# KiCad board Leopold Replacement.kicad_pcb (continued)
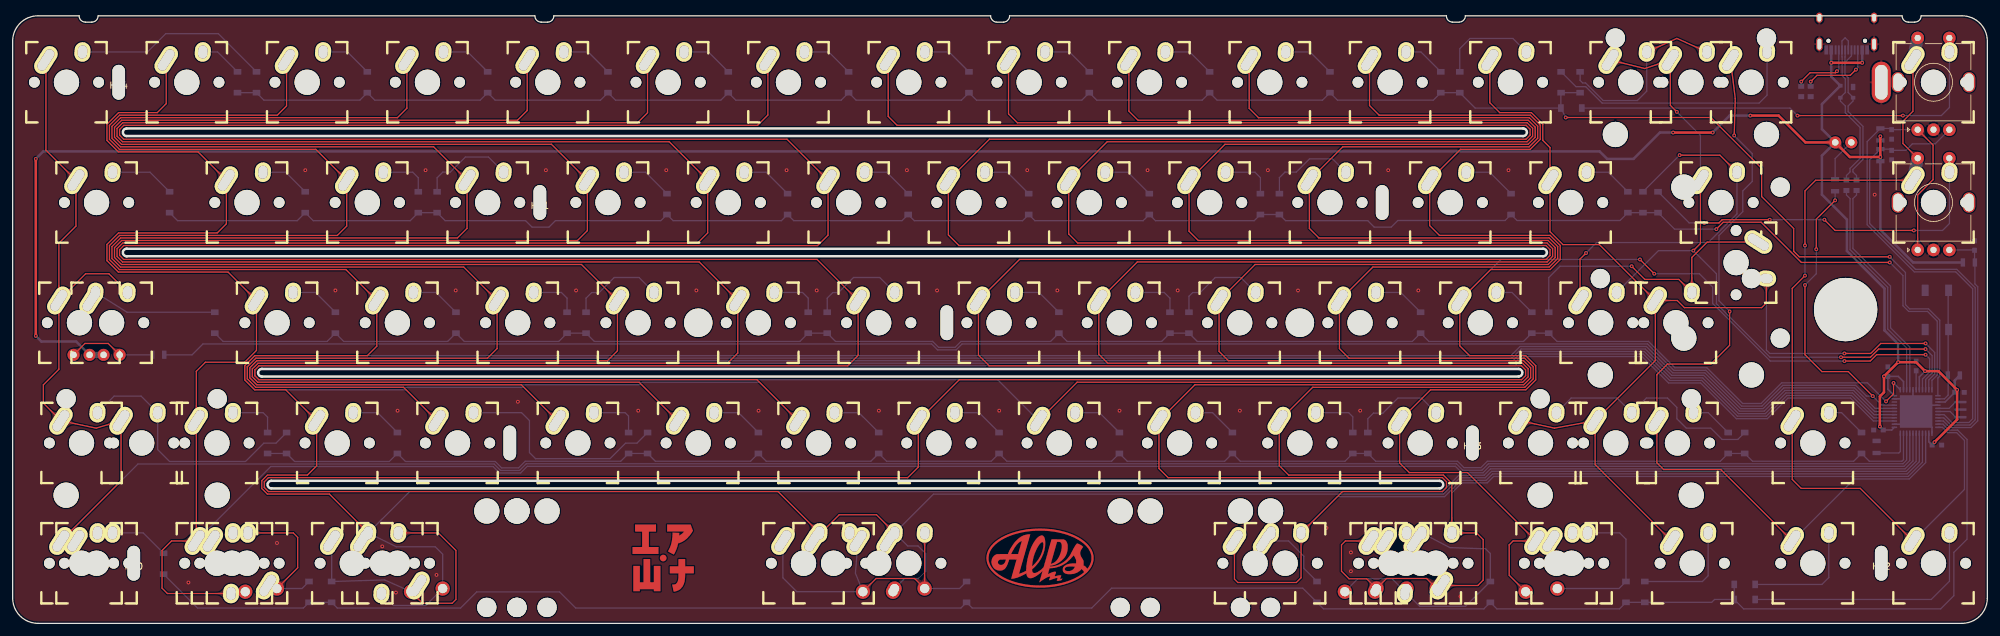
[diagram p0: board, top side]
## Copper pours and planes (outline as drawn; the poured copper is in the pictures) (continued)
Col0 on Top: 5.79,33.73 5.87,33.65 5.93,33.57 5.99,33.5 6.05,33.43 6.09,33.36 6.13,33.3 6.16,33.23 6.19,33.17 6.22,33.1 6.24,33.04 6.25,32.98 6.27,32.92 6.28,32.85 6.29,32.79 6.31,32.27 6.32,32.2 6.33,32.12 6.34,32.05 6.35,31.97 6.37,31.89 6.39,31.8 6.42,31.72 6.45,31.63 8.07,31.59 8.04,33.22 7.95,33.25 7.86,33.27 7.77,33.29 7.69,33.31 7.61,33.32 7.54,33.33 7.46,33.34 7.39,33.35 6.87,33.38 6.81,33.38 6.74,33.39 6.68,33.41 6.62,33.42 6.56,33.44 6.49,33.47 6.43,33.5 6.36,33.53 6.3,33.57 6.23,33.62 6.16,33.67 6.09,33.73 6.01,33.79 5.94,33.87
Col0 on Top: 7.4,48.56 7.4,48.66 7.41,48.76 7.42,48.85 7.43,48.94 7.44,49.02 7.46,49.1 7.49,49.17 7.51,49.23 7.54,49.29 7.57,49.35 7.6,49.41 7.64,49.46 7.67,49.51 7.71,49.56 8.06,49.95 8.11,50.01 8.15,50.07 8.2,50.13 8.25,50.19 8.29,50.26 8.34,50.34 8.38,50.42 8.42,50.5 7.3,51.67 6.17,50.5 6.22,50.42 6.26,50.34 6.31,50.26 6.35,50.19 6.4,50.13 6.44,50.07 6.49,50.01 6.54,49.95 6.89,49.56 6.92,49.51 6.96,49.46 7,49.41 7.03,49.35 7.06,49.29 7.09,49.23 7.11,49.17 7.13,49.1 7.15,49.02 7.17,48.94 7.18,48.85 7.19,48.76 7.2,48.66 7.2,48.56
Col0 on Top: 16.32,54.01 16.4,53.93 16.46,53.85 16.52,53.78 16.57,53.71 16.62,53.64 16.66,53.58 16.69,53.51 16.72,53.45 16.74,53.38 16.77,53.32 16.78,53.26 16.79,53.2 16.8,53.13 16.81,53.07 16.84,52.55 16.85,52.48 16.86,52.4 16.87,52.33 16.88,52.25 16.9,52.17 16.92,52.08 16.94,52 16.97,51.91 18.6,51.87 18.56,53.5 18.47,53.53 18.39,53.55 18.3,53.57 18.22,53.59 18.14,53.6 18.06,53.61 17.99,53.62 17.92,53.63 17.4,53.66 17.33,53.66 17.27,53.67 17.21,53.69 17.15,53.7 17.09,53.72 17.02,53.75 16.96,53.78 16.89,53.81 16.82,53.85 16.76,53.9 16.69,53.95 16.61,54.01 16.54,54.07 16.46,54.15
Col0 on Top: 8.99,52.88 8.91,52.8 8.84,52.74 8.77,52.68 8.7,52.63 8.63,52.58 8.56,52.54 8.5,52.51 8.43,52.48 8.37,52.45 8.3,52.43 8.24,52.42 8.18,52.4 8.12,52.39 8.06,52.39 7.53,52.36 7.46,52.35 7.39,52.34 7.31,52.33 7.23,52.32 7.15,52.3 7.07,52.28 6.98,52.26 6.89,52.23 6.86,50.6 8.48,50.64 8.51,50.73 8.53,50.81 8.55,50.9 8.57,50.98 8.59,51.06 8.6,51.13 8.6,51.21 8.61,51.28 8.64,51.8 8.65,51.86 8.66,51.93 8.67,51.99 8.69,52.05 8.71,52.11 8.73,52.18 8.76,52.24 8.79,52.31 8.83,52.37 8.88,52.44 8.93,52.51 8.99,52.58 9.06,52.66 9.13,52.74
Col0 on Top: 7.2,53.54 7.2,53.43 7.19,53.33 7.18,53.24 7.17,53.15 7.15,53.07 7.13,53 7.11,52.93 7.09,52.86 7.06,52.8 7.03,52.74 7,52.68 6.96,52.63 6.92,52.58 6.89,52.53 6.54,52.14 6.49,52.08 6.44,52.03 6.4,51.96 6.35,51.9 6.31,51.83 6.26,51.75 6.22,51.68 6.17,51.59 7.3,50.42 8.42,51.59 8.38,51.68 8.34,51.75 8.29,51.83 8.25,51.9 8.2,51.96 8.15,52.03 8.11,52.08 8.06,52.14 7.71,52.53 7.67,52.58 7.64,52.63 7.6,52.68 7.57,52.74 7.54,52.8 7.51,52.86 7.49,52.93 7.46,53 7.44,53.07 7.43,53.15 7.42,53.24 7.41,53.33 7.4,53.43 7.4,53.54
Col0 on Top: 10.1,67.57 10.1,67.67 10.11,67.77 10.12,67.86 10.13,67.95 10.15,68.03 10.17,68.11 10.19,68.18 10.22,68.24 10.24,68.3 10.27,68.36 10.31,68.42 10.34,68.47 10.38,68.52 10.42,68.57 10.76,68.96 10.81,69.02 10.86,69.08 10.9,69.14 10.95,69.2 11,69.27 11.04,69.35 11.08,69.43 11.13,69.51 10,70.68 8.88,69.51 8.92,69.43 8.96,69.35 9.01,69.27 9.06,69.2 9.1,69.14 9.15,69.08 9.19,69.02 9.24,68.96 9.59,68.57 9.63,68.52 9.66,68.47 9.7,68.42 9.73,68.36 9.76,68.3 9.79,68.24 9.81,68.18 9.84,68.11 9.86,68.03 9.87,67.95 9.89,67.86 9.89,67.77 9.9,67.67 9.9,67.57
Col0 on Top: 5.35,86.58 5.35,86.68 5.36,86.78 5.37,86.87 5.38,86.96 5.4,87.04 5.42,87.12 5.44,87.19 5.46,87.25 5.49,87.31 5.52,87.37 5.55,87.43 5.59,87.48 5.62,87.53 5.66,87.58 6.01,87.97 6.06,88.03 6.1,88.09 6.15,88.15 6.2,88.21 6.24,88.28 6.29,88.36 6.33,88.44 6.38,88.52 5.25,89.69 4.12,88.52 4.17,88.44 4.21,88.36 4.26,88.28 4.3,88.21 4.35,88.15 4.4,88.09 4.44,88.03 4.49,87.97 4.84,87.58 4.88,87.53 4.91,87.48 4.95,87.43 4.98,87.37 5.01,87.31 5.04,87.25 5.06,87.19 5.08,87.12 5.1,87.04 5.12,86.96 5.13,86.87 5.14,86.78 5.15,86.68 5.15,86.58
Col0 on Top: 8.17,71.75 8.24,71.67 8.31,71.59 8.37,71.52 8.42,71.45 8.47,71.38 8.51,71.32 8.54,71.25 8.57,71.19 8.59,71.12 8.61,71.06 8.63,71 8.64,70.94 8.65,70.87 8.66,70.81 8.69,70.29 8.7,70.22 8.71,70.14 8.72,70.07 8.73,69.99 8.75,69.91 8.77,69.82 8.79,69.74 8.82,69.65 10.44,69.61 10.41,71.24 10.32,71.27 10.23,71.29 10.15,71.31 10.07,71.33 9.99,71.34 9.91,71.35 9.84,71.36 9.77,71.37 9.24,71.4 9.18,71.4 9.12,71.41 9.06,71.43 9,71.44 8.93,71.46 8.87,71.49 8.81,71.52 8.74,71.55 8.67,71.59 8.61,71.64 8.54,71.69 8.46,71.75 8.39,71.81 8.31,71.89
Col0 on Bottom: 9.32,14.86 9.24,14.78 9.17,14.72 9.09,14.66 9.02,14.61 8.95,14.56 8.89,14.52 8.82,14.49 8.76,14.46 8.69,14.43 8.63,14.41 8.57,14.4 8.51,14.38 8.45,14.37 8.38,14.37 7.86,14.34 7.79,14.33 7.72,14.32 7.64,14.31 7.56,14.3 7.48,14.28 7.39,14.26 7.31,14.24 7.22,14.21 7.18,12.58 8.81,12.62 8.84,12.71 8.86,12.79 8.88,12.88 8.9,12.96 8.91,13.04 8.92,13.11 8.93,13.19 8.94,13.26 8.97,13.78 8.98,13.84 8.99,13.91 9,13.97 9.01,14.03 9.04,14.09 9.06,14.16 9.09,14.22 9.12,14.29 9.16,14.35 9.21,14.42 9.26,14.49 9.32,14.56 9.38,14.64 9.46,14.72
Col1 on Top: 38.62,48.56 38.62,48.66 38.63,48.76 38.63,48.85 38.65,48.94 38.66,49.02 38.68,49.1 38.71,49.17 38.73,49.23 38.76,49.29 38.79,49.35 38.82,49.41 38.86,49.46 38.89,49.51 38.93,49.56 39.28,49.95 39.33,50.01 39.37,50.07 39.42,50.13 39.46,50.19 39.51,50.26 39.56,50.34 39.6,50.42 39.64,50.5 38.52,51.67 37.39,50.5 37.44,50.42 37.48,50.34 37.52,50.26 37.57,50.19 37.62,50.13 37.66,50.07 37.71,50.01 37.76,49.95 38.1,49.56 38.14,49.51 38.18,49.46 38.21,49.41 38.25,49.35 38.28,49.29 38.3,49.23 38.33,49.17 38.35,49.1 38.37,49.02 38.39,48.94 38.4,48.85 38.41,48.76 38.42,48.66 38.42,48.56
Col1 on Top: 28.91,34.53 28.91,34.42 28.9,34.32 28.9,34.23 28.88,34.14 28.87,34.06 28.85,33.99 28.82,33.92 28.8,33.85 28.77,33.79 28.74,33.73 28.71,33.67 28.67,33.62 28.64,33.57 28.6,33.52 28.25,33.13 28.2,33.07 28.16,33.02 28.11,32.95 28.07,32.89 28.02,32.82 27.97,32.74 27.93,32.67 27.89,32.58 29.01,31.41 30.14,32.58 30.09,32.67 30.05,32.74 30.01,32.82 29.96,32.89 29.91,32.95 29.87,33.02 29.82,33.07 29.77,33.13 29.43,33.52 29.39,33.57 29.35,33.62 29.32,33.67 29.28,33.73 29.25,33.79 29.23,33.85 29.2,33.92 29.18,33.99 29.16,34.06 29.14,34.14 29.13,34.23 29.12,34.32 29.11,34.42 29.11,34.53
Col1 on Top: 36.69,52.74 36.76,52.66 36.83,52.58 36.88,52.51 36.94,52.44 36.98,52.37 37.02,52.31 37.06,52.24 37.08,52.18 37.11,52.11 37.13,52.05 37.15,51.99 37.16,51.93 37.17,51.86 37.18,51.8 37.21,51.28 37.21,51.21 37.22,51.13 37.23,51.06 37.24,50.98 37.26,50.9 37.28,50.81 37.31,50.73 37.34,50.64 38.96,50.6 38.93,52.23 38.84,52.26 38.75,52.28 38.66,52.3 38.58,52.32 38.5,52.33 38.43,52.34 38.35,52.35 38.28,52.36 37.76,52.39 37.7,52.39 37.64,52.4 37.57,52.42 37.51,52.43 37.45,52.45 37.39,52.48 37.32,52.51 37.26,52.54 37.19,52.58 37.12,52.63 37.05,52.68 36.98,52.74 36.9,52.8 36.83,52.88
Col1 on Top: 33.87,67.57 33.87,67.67 33.87,67.77 33.88,67.86 33.9,67.95 33.91,68.03 33.93,68.11 33.95,68.18 33.98,68.24 34.01,68.3 34.04,68.36 34.07,68.42 34.1,68.47 34.14,68.52 34.18,68.57 34.53,68.96 34.57,69.02 34.62,69.08 34.67,69.14 34.71,69.2 34.76,69.27 34.8,69.35 34.85,69.43 34.89,69.51 33.77,70.68 32.64,69.51 32.68,69.43 32.73,69.35 32.77,69.27 32.82,69.2 32.86,69.14 32.91,69.08 32.96,69.02 33,68.96 33.35,68.57 33.39,68.52 33.43,68.47 33.46,68.42 33.49,68.36 33.52,68.3 33.55,68.24 33.58,68.18 33.6,68.11 33.62,68.03 33.63,67.95 33.65,67.86 33.66,67.77 33.66,67.67 33.66,67.57
Col1 on Top: 31.93,71.75 32.01,71.67 32.07,71.59 32.13,71.52 32.18,71.45 32.23,71.38 32.27,71.32 32.3,71.25 32.33,71.19 32.36,71.12 32.38,71.06 32.39,71 32.41,70.94 32.42,70.87 32.42,70.81 32.45,70.29 32.46,70.22 32.47,70.14 32.48,70.07 32.49,69.99 32.51,69.91 32.53,69.82 32.55,69.74 32.58,69.65 34.21,69.61 34.18,71.24 34.08,71.27 34,71.29 33.91,71.31 33.83,71.33 33.75,71.34 33.68,71.35 33.6,71.36 33.53,71.37 33.01,71.4 32.95,71.4 32.88,71.41 32.82,71.43 32.76,71.44 32.7,71.46 32.63,71.49 32.57,71.52 32.5,71.55 32.44,71.59 32.37,71.64 32.3,71.69 32.23,71.75 32.15,71.81 32.08,71.89
Col1 on Top: 24.36,86.58 24.36,86.68 24.37,86.78 24.38,86.87 24.39,86.96 24.41,87.04 24.43,87.12 24.45,87.19 24.47,87.25 24.5,87.31 24.53,87.37 24.56,87.43 24.6,87.48 24.63,87.53 24.67,87.58 25.02,87.97 25.07,88.03 25.11,88.09 25.16,88.15 25.21,88.21 25.25,88.28 25.3,88.36 25.34,88.44 25.39,88.52 24.26,89.69 23.14,88.52 23.18,88.44 23.22,88.36 23.27,88.28 23.31,88.21 23.36,88.15 23.41,88.09 23.45,88.03 23.5,87.97 23.85,87.58 23.89,87.53 23.92,87.48 23.96,87.43 23.99,87.37 24.02,87.31 24.05,87.25 24.07,87.19 24.09,87.12 24.11,87.04 24.13,86.96 24.14,86.87 24.15,86.78 24.16,86.68 24.16,86.58
Col1 on Top: 29.11,29.55 29.11,29.65 29.12,29.75 29.13,29.84 29.14,29.93 29.16,30.01 29.18,30.09 29.2,30.16 29.23,30.22 29.25,30.28 29.28,30.34 29.32,30.4 29.35,30.45 29.39,30.5 29.43,30.55 29.77,30.94 29.82,31 29.87,31.06 29.91,31.12 29.96,31.18 30.01,31.25 30.05,31.33 30.09,31.41 30.14,31.49 29.01,32.66 27.89,31.49 27.93,31.41 27.97,31.33 28.02,31.25 28.07,31.18 28.11,31.12 28.16,31.06 28.2,31 28.25,30.94 28.6,30.55 28.64,30.5 28.67,30.45 28.71,30.4 28.74,30.34 28.77,30.28 28.8,30.22 28.82,30.16 28.85,30.09 28.87,30.01 28.88,29.93 28.9,29.84 28.9,29.75 28.91,29.65 28.91,29.55
Col1 on Top: 28.91,15.52 28.91,15.41 28.9,15.31 28.9,15.22 28.88,15.13 28.87,15.05 28.85,14.98 28.82,14.91 28.8,14.84 28.77,14.78 28.74,14.72 28.71,14.66 28.67,14.61 28.64,14.56 28.6,14.51 28.25,14.12 28.2,14.06 28.16,14.01 28.11,13.94 28.07,13.88 28.02,13.81 27.97,13.73 27.93,13.66 27.89,13.57 29.01,12.4 30.14,13.57 30.09,13.66 30.05,13.73 30.01,13.81 29.96,13.88 29.91,13.94 29.87,14.01 29.82,14.06 29.77,14.12 29.43,14.51 29.39,14.56 29.35,14.61 29.32,14.66 29.28,14.72 29.25,14.78 29.23,14.84 29.2,14.91 29.18,14.98 29.16,15.05 29.14,15.13 29.13,15.22 29.12,15.31 29.11,15.41 29.11,15.52
Col1 on Top: 32.01,4.62 32.12,4.61 32.22,4.61 32.31,4.6 32.39,4.59 32.47,4.57 32.55,4.55 32.62,4.53 32.69,4.5 32.75,4.47 32.81,4.44 32.86,4.41 32.92,4.38 32.97,4.34 33.02,4.3 33.41,3.95 33.46,3.91 33.52,3.86 33.58,3.81 33.65,3.77 33.72,3.72 33.79,3.68 33.87,3.63 33.96,3.59 35.12,4.72 33.96,5.84 33.87,5.8 33.79,5.75 33.72,5.71 33.65,5.66 33.58,5.62 33.52,5.57 33.46,5.52 33.41,5.48 33.02,5.13 32.97,5.09 32.92,5.05 32.86,5.02 32.81,4.99 32.75,4.96 32.69,4.93 32.62,4.9 32.55,4.88 32.47,4.86 32.39,4.85 32.31,4.83 32.22,4.82 32.12,4.82 32.01,4.82
Col1 on Top: 26.52,12.93 26.63,12.92 26.73,12.92 26.82,12.91 26.91,12.9 26.99,12.88 27.06,12.86 27.13,12.84 27.2,12.81 27.26,12.78 27.32,12.75 27.38,12.72 27.43,12.69 27.48,12.65 27.53,12.61 27.92,12.26 27.97,12.22 28.03,12.17 28.09,12.12 28.16,12.08 28.23,12.03 28.3,11.99 28.38,11.94 28.47,11.9 29.64,13.03 28.47,14.15 28.38,14.11 28.3,14.06 28.23,14.02 28.16,13.97 28.09,13.93 28.03,13.88 27.97,13.83 27.92,13.79 27.53,13.44 27.48,13.4 27.43,13.36 27.38,13.33 27.32,13.3 27.26,13.27 27.2,13.24 27.13,13.21 27.06,13.19 26.99,13.17 26.91,13.16 26.82,13.14 26.73,13.13 26.63,13.13 26.52,13.13
Col1 on Bottom: 30.7,14.86 30.63,14.78 30.55,14.72 30.48,14.66 30.41,14.61 30.34,14.56 30.27,14.52 30.21,14.49 30.14,14.46 30.08,14.43 30.02,14.41 29.96,14.4 29.89,14.38 29.83,14.37 29.77,14.37 29.25,14.34 29.18,14.33 29.1,14.32 29.03,14.31 28.95,14.3 28.87,14.28 28.78,14.26 28.69,14.24 28.6,14.21 28.57,12.58 30.19,12.62 30.22,12.71 30.25,12.79 30.27,12.88 30.29,12.96 30.3,13.04 30.31,13.11 30.32,13.19 30.32,13.26 30.35,13.78 30.36,13.84 30.37,13.91 30.38,13.97 30.4,14.03 30.42,14.09 30.45,14.16 30.47,14.22 30.51,14.29 30.55,14.35 30.59,14.42 30.65,14.49 30.7,14.56 30.77,14.64 30.84,14.72
Col2 on Top: 54.34,15.99 54.42,15.91 54.48,15.83 54.54,15.76 54.59,15.69 54.64,15.62 54.68,15.56 54.71,15.49 54.74,15.43 54.76,15.36 54.79,15.3 54.8,15.24 54.81,15.18 54.82,15.11 54.83,15.05 54.86,14.53 54.87,14.46 54.88,14.38 54.89,14.31 54.9,14.23 54.92,14.15 54.94,14.06 54.96,13.98 54.99,13.89 56.62,13.85 56.58,15.48 56.49,15.51 56.41,15.53 56.32,15.55 56.24,15.57 56.16,15.58 56.08,15.59 56.01,15.6 55.94,15.61 55.42,15.64 55.35,15.64 55.29,15.65 55.23,15.67 55.17,15.68 55.11,15.7 55.04,15.73 54.98,15.76 54.91,15.79 54.84,15.83 54.78,15.88 54.71,15.93 54.63,15.99 54.56,16.05 54.48,16.13
Col2 on Top: 48.12,29.55 48.12,29.65 48.13,29.75 48.14,29.84 48.15,29.93 48.17,30.01 48.19,30.09 48.21,30.16 48.24,30.22 48.26,30.28 48.29,30.34 48.33,30.4 48.36,30.45 48.4,30.5 48.44,30.55 48.78,30.94 48.83,31 48.88,31.06 48.92,31.12 48.97,31.18 49.02,31.25 49.06,31.33 49.1,31.41 49.15,31.49 48.02,32.66 46.9,31.49 46.94,31.41 46.98,31.33 47.03,31.25 47.08,31.18 47.12,31.12 47.17,31.06 47.21,31 47.26,30.94 47.61,30.55 47.65,30.5 47.68,30.45 47.72,30.4 47.75,30.34 47.78,30.28 47.81,30.22 47.83,30.16 47.86,30.09 47.88,30.01 47.89,29.93 47.91,29.84 47.91,29.75 47.92,29.65 47.92,29.55
Col2 on Top: 46.19,33.73 46.26,33.65 46.33,33.57 46.39,33.5 46.44,33.43 46.49,33.36 46.53,33.3 46.56,33.23 46.59,33.17 46.61,33.1 46.63,33.04 46.65,32.98 46.66,32.92 46.67,32.85 46.68,32.79 46.71,32.27 46.72,32.2 46.73,32.12 46.74,32.05 46.75,31.97 46.77,31.89 46.79,31.8 46.81,31.72 46.84,31.63 48.46,31.59 48.43,33.22 48.34,33.25 48.25,33.27 48.17,33.29 48.09,33.31 48.01,33.32 47.93,33.33 47.86,33.34 47.79,33.35 47.26,33.38 47.2,33.38 47.14,33.39 47.08,33.41 47.02,33.42 46.95,33.44 46.89,33.47 46.83,33.5 46.76,33.53 46.69,33.57 46.63,33.62 46.56,33.67 46.48,33.73 46.41,33.79 46.33,33.87
Col2 on Top: 57.63,48.56 57.63,48.66 57.64,48.76 57.64,48.85 57.66,48.94 57.67,49.02 57.69,49.1 57.72,49.17 57.74,49.23 57.77,49.29 57.8,49.35 57.83,49.41 57.87,49.46 57.9,49.51 57.94,49.56 58.29,49.95 58.34,50.01 58.38,50.07 58.43,50.13 58.47,50.19 58.52,50.26 58.57,50.34 58.61,50.42 58.65,50.5 57.53,51.67 56.4,50.5 56.45,50.42 56.49,50.34 56.53,50.26 56.58,50.19 56.63,50.13 56.67,50.07 56.72,50.01 56.77,49.95 57.11,49.56 57.15,49.51 57.19,49.46 57.22,49.41 57.26,49.35 57.29,49.29 57.31,49.23 57.34,49.17 57.36,49.1 57.38,49.02 57.4,48.94 57.41,48.85 57.42,48.76 57.43,48.66 57.43,48.56
Col2 on Top: 55.7,52.74 55.77,52.66 55.84,52.58 55.89,52.51 55.95,52.44 55.99,52.37 56.03,52.31 56.07,52.24 56.09,52.18 56.12,52.11 56.14,52.05 56.16,51.99 56.17,51.93 56.18,51.86 56.19,51.8 56.22,51.28 56.22,51.21 56.23,51.13 56.24,51.06 56.25,50.98 56.27,50.9 56.29,50.81 56.32,50.73 56.35,50.64 57.97,50.6 57.94,52.23 57.85,52.26 57.76,52.28 57.67,52.3 57.59,52.32 57.51,52.33 57.44,52.34 57.36,52.35 57.29,52.36 56.77,52.39 56.71,52.39 56.65,52.4 56.58,52.42 56.52,52.43 56.46,52.45 56.4,52.48 56.33,52.51 56.27,52.54 56.2,52.58 56.13,52.63 56.06,52.68 55.99,52.74 55.91,52.8 55.84,52.88
Col2 on Top: 52.88,67.57 52.88,67.67 52.88,67.77 52.89,67.86 52.91,67.95 52.92,68.03 52.94,68.11 52.96,68.18 52.99,68.24 53.02,68.3 53.05,68.36 53.08,68.42 53.11,68.47 53.15,68.52 53.19,68.57 53.54,68.96 53.58,69.02 53.63,69.08 53.68,69.14 53.72,69.2 53.77,69.27 53.81,69.35 53.86,69.43 53.9,69.51 52.77,70.68 51.65,69.51 51.69,69.43 51.74,69.35 51.78,69.27 51.83,69.2 51.87,69.14 51.92,69.08 51.97,69.02 52.01,68.96 52.36,68.57 52.4,68.52 52.44,68.47 52.47,68.42 52.5,68.36 52.53,68.3 52.56,68.24 52.59,68.18 52.61,68.11 52.63,68.03 52.64,67.95 52.66,67.86 52.67,67.77 52.67,67.67 52.67,67.57
Col2 on Top: 50.94,71.75 51.02,71.67 51.08,71.59 51.14,71.52 51.19,71.45 51.24,71.38 51.28,71.32 51.31,71.25 51.34,71.19 51.37,71.12 51.39,71.06 51.4,71 51.42,70.94 51.43,70.87 51.43,70.81 51.46,70.29 51.47,70.22 51.48,70.14 51.49,70.07 51.5,69.99 51.52,69.91 51.54,69.82 51.56,69.74 51.59,69.65 53.22,69.61 53.19,71.24 53.09,71.27 53.01,71.29 52.92,71.31 52.84,71.33 52.76,71.34 52.69,71.35 52.61,71.36 52.54,71.37 52.02,71.4 51.96,71.4 51.89,71.41 51.83,71.43 51.77,71.44 51.71,71.46 51.64,71.49 51.58,71.52 51.51,71.55 51.45,71.59 51.38,71.64 51.31,71.69 51.24,71.75 51.16,71.81 51.09,71.89
Col2 on Top: 43.37,86.58 43.37,86.68 43.38,86.78 43.39,86.87 43.4,86.96 43.42,87.04 43.44,87.12 43.46,87.19 43.48,87.25 43.51,87.31 43.54,87.37 43.57,87.43 43.61,87.48 43.64,87.53 43.68,87.58 44.03,87.97 44.08,88.03 44.12,88.09 44.17,88.15 44.22,88.21 44.26,88.28 44.31,88.36 44.35,88.44 44.4,88.52 43.27,89.69 42.15,88.52 42.19,88.44 42.23,88.36 42.28,88.28 42.32,88.21 42.37,88.15 42.42,88.09 42.46,88.03 42.51,87.97 42.86,87.58 42.9,87.53 42.93,87.48 42.97,87.43 43,87.37 43.03,87.31 43.06,87.25 43.08,87.19 43.1,87.12 43.12,87.04 43.14,86.96 43.15,86.87 43.16,86.78 43.17,86.68 43.17,86.58
Col2 on Bottom: 57.86,16.13 57.79,16.05 57.71,15.99 57.64,15.93 57.57,15.88 57.5,15.83 57.44,15.79 57.37,15.76 57.31,15.73 57.24,15.7 57.18,15.68 57.12,15.67 57.06,15.65 56.99,15.64 56.93,15.64 56.41,15.61 56.34,15.6 56.26,15.59 56.19,15.58 56.11,15.57 56.03,15.55 55.94,15.53 55.85,15.51 55.76,15.48 55.73,13.85 57.35,13.89 57.38,13.98 57.41,14.06 57.43,14.15 57.45,14.23 57.46,14.31 57.47,14.38 57.48,14.46 57.49,14.53 57.51,15.05 57.52,15.11 57.53,15.18 57.55,15.24 57.56,15.3 57.58,15.36 57.61,15.43 57.64,15.49 57.67,15.56 57.71,15.62 57.75,15.69 57.81,15.76 57.87,15.83 57.93,15.91 58.01,15.99
Col2 on Bottom: 58.45,13.28 58.36,13.33 58.27,13.38 58.19,13.43 58.12,13.48 58.05,13.53 58,13.58 57.94,13.63 57.89,13.68 57.85,13.74 57.81,13.79 57.78,13.84 57.74,13.9 57.71,13.95 57.69,14.01 57.49,14.49 57.46,14.56 57.43,14.63 57.4,14.7 57.36,14.77 57.32,14.84 57.27,14.91 57.22,14.99 57.16,15.06 55.61,14.57 56.16,13.05 56.26,13.05 56.35,13.05 56.44,13.06 56.52,13.07 56.6,13.08 56.67,13.1 56.75,13.11 56.82,13.13 57.32,13.27 57.38,13.28 57.44,13.29 57.51,13.3 57.57,13.3 57.64,13.3 57.71,13.3 57.78,13.29 57.85,13.28 57.92,13.27 58,13.25 58.09,13.22 58.17,13.19 58.27,13.15 58.36,13.1
Col2 on Bottom: 67.83,7.75 67.83,7.65 67.83,7.57 67.82,7.48 67.81,7.4 67.79,7.33 67.78,7.26 67.76,7.2 67.73,7.14 67.71,7.08 67.68,7.03 67.65,6.98 67.62,6.93 67.59,6.89 67.21,6.44 67.16,6.39 67.12,6.33 67.08,6.27 67.04,6.21 67,6.14 66.96,6.07 66.92,6 67.93,4.94 68.95,6 68.91,6.07 68.87,6.14 68.83,6.21 68.79,6.27 68.75,6.33 68.7,6.39 68.66,6.44 68.28,6.89 68.25,6.93 68.21,6.98 68.19,7.03 68.16,7.08 68.13,7.14 68.11,7.2 68.09,7.26 68.08,7.33 68.06,7.4 68.05,7.48 68.04,7.57 68.04,7.65 68.03,7.75
Col2 on Bottom: 66.42,3.85 66.49,3.91 66.55,3.97 66.62,4.03 66.68,4.07 66.74,4.11 66.8,4.15 66.86,4.18 66.92,4.21 66.98,4.23 67.03,4.25 67.09,4.26 67.14,4.28 67.2,4.29 67.79,4.33 67.86,4.34 67.92,4.35 67.99,4.36 68.07,4.37 68.14,4.39 68.22,4.42 68.3,4.44 68.33,5.9 66.87,5.87 66.85,5.79 66.82,5.71 66.8,5.64 66.79,5.57 66.78,5.49 66.77,5.43 66.76,5.36 66.71,4.77 66.71,4.71 66.69,4.66 66.68,4.6 66.66,4.55 66.64,4.49 66.61,4.43 66.58,4.37 66.54,4.31 66.5,4.25 66.46,4.19 66.4,4.12 66.34,4.06 66.28,3.99
Col2 on Bottom: 60.09,3.03 60.02,3.1 59.95,3.18 59.9,3.25 59.84,3.32 59.8,3.39 59.76,3.45 59.72,3.52 59.7,3.58 59.67,3.65 59.65,3.71 59.63,3.77 59.62,3.83 59.61,3.9 59.6,3.96 59.57,4.48 59.57,4.55 59.56,4.63 59.55,4.7 59.54,4.78 59.52,4.86 59.5,4.95 59.47,5.03 59.44,5.13 57.82,5.16 57.85,3.53 57.94,3.5 58.03,3.48 58.12,3.46 58.2,3.44 58.28,3.43 58.35,3.42 58.43,3.41 58.5,3.4 59.02,3.37 59.08,3.37 59.14,3.36 59.21,3.34 59.27,3.33 59.33,3.31 59.39,3.28 59.46,3.25 59.52,3.22 59.59,3.18 59.66,3.13 59.73,3.08 59.8,3.02 59.88,2.96 59.95,2.88
Col3 on Top: 65.2,33.73 65.27,33.65 65.34,33.57 65.4,33.5 65.45,33.43 65.5,33.36 65.54,33.3 65.57,33.23 65.6,33.17 65.62,33.1 65.64,33.04 65.66,32.98 65.67,32.92 65.68,32.85 65.69,32.79 65.72,32.27 65.73,32.2 65.74,32.12 65.75,32.05 65.76,31.97 65.78,31.89 65.8,31.8 65.82,31.72 65.85,31.63 67.47,31.59 67.44,33.22 67.35,33.25 67.26,33.27 67.18,33.29 67.1,33.31 67.02,33.32 66.94,33.33 66.87,33.34 66.8,33.35 66.27,33.38 66.21,33.38 66.15,33.39 66.09,33.41 66.03,33.42 65.96,33.44 65.9,33.47 65.84,33.5 65.77,33.53 65.7,33.57 65.64,33.62 65.57,33.67 65.49,33.73 65.42,33.79 65.34,33.87
Col3 on Top: 76.64,48.56 76.64,48.66 76.65,48.76 76.65,48.85 76.67,48.94 76.68,49.02 76.7,49.1 76.73,49.17 76.75,49.23 76.78,49.29 76.81,49.35 76.84,49.41 76.88,49.46 76.91,49.51 76.95,49.56 77.3,49.95 77.35,50.01 77.39,50.07 77.44,50.13 77.48,50.19 77.53,50.26 77.58,50.34 77.62,50.42 77.66,50.5 76.54,51.67 75.41,50.5 75.46,50.42 75.5,50.34 75.54,50.26 75.59,50.19 75.64,50.13 75.68,50.07 75.73,50.01 75.78,49.95 76.12,49.56 76.16,49.51 76.2,49.46 76.23,49.41 76.27,49.35 76.3,49.29 76.32,49.23 76.35,49.17 76.37,49.1 76.39,49.02 76.41,48.94 76.42,48.85 76.43,48.76 76.44,48.66 76.44,48.56
Col3 on Top: 74.71,52.74 74.78,52.66 74.85,52.58 74.9,52.51 74.96,52.44 75,52.37 75.04,52.31 75.08,52.24 75.1,52.18 75.13,52.11 75.15,52.05 75.17,51.99 75.18,51.93 75.19,51.86 75.2,51.8 75.23,51.28 75.23,51.21 75.24,51.13 75.25,51.06 75.26,50.98 75.28,50.9 75.3,50.81 75.33,50.73 75.36,50.64 76.98,50.6 76.95,52.23 76.86,52.26 76.77,52.28 76.68,52.3 76.6,52.32 76.52,52.33 76.45,52.34 76.37,52.35 76.3,52.36 75.78,52.39 75.72,52.39 75.66,52.4 75.59,52.42 75.53,52.43 75.47,52.45 75.41,52.48 75.34,52.51 75.28,52.54 75.21,52.58 75.14,52.63 75.07,52.68 75,52.74 74.92,52.8 74.85,52.88
Col3 on Top: 71.89,67.57 71.89,67.67 71.89,67.77 71.9,67.86 71.92,67.95 71.93,68.03 71.95,68.11 71.97,68.18 72,68.24 72.03,68.3 72.06,68.36 72.09,68.42 72.12,68.47 72.16,68.52 72.2,68.57 72.55,68.96 72.59,69.02 72.64,69.08 72.69,69.14 72.73,69.2 72.78,69.27 72.82,69.35 72.87,69.43 72.91,69.51 71.78,70.68 70.66,69.51 70.7,69.43 70.75,69.35 70.79,69.27 70.84,69.2 70.88,69.14 70.93,69.08 70.98,69.02 71.02,68.96 71.37,68.57 71.41,68.52 71.45,68.47 71.48,68.42 71.51,68.36 71.54,68.3 71.57,68.24 71.6,68.18 71.62,68.11 71.64,68.03 71.65,67.95 71.67,67.86 71.68,67.77 71.68,67.67 71.69,67.57
Col3 on Top: 69.95,71.75 70.03,71.67 70.09,71.59 70.15,71.52 70.2,71.45 70.25,71.38 70.29,71.32 70.32,71.25 70.35,71.19 70.38,71.12 70.4,71.06 70.41,71 70.43,70.94 70.44,70.87 70.44,70.81 70.47,70.29 70.48,70.22 70.49,70.14 70.5,70.07 70.51,69.99 70.53,69.91 70.55,69.82 70.57,69.74 70.6,69.65 72.23,69.61 72.2,71.24 72.1,71.27 72.02,71.29 71.93,71.31 71.85,71.33 71.77,71.34 71.7,71.35 71.62,71.36 71.55,71.37 71.03,71.4 70.97,71.4 70.9,71.41 70.84,71.43 70.78,71.44 70.72,71.46 70.65,71.49 70.59,71.52 70.52,71.55 70.46,71.59 70.39,71.64 70.32,71.69 70.25,71.75 70.17,71.81 70.1,71.89
Col3 on Top: 62.38,86.58 62.38,86.68 62.39,86.78 62.4,86.87 62.41,86.96 62.43,87.04 62.45,87.12 62.47,87.19 62.49,87.25 62.52,87.31 62.55,87.37 62.58,87.43 62.62,87.48 62.65,87.53 62.69,87.58 63.04,87.97 63.09,88.03 63.13,88.09 63.18,88.15 63.23,88.21 63.27,88.28 63.32,88.36 63.36,88.44 63.41,88.52 62.28,89.69 61.16,88.52 61.2,88.44 61.24,88.36 61.29,88.28 61.33,88.21 61.38,88.15 61.43,88.09 61.47,88.03 61.52,87.97 61.87,87.58 61.91,87.53 61.94,87.48 61.98,87.43 62.01,87.37 62.04,87.31 62.07,87.25 62.09,87.19 62.11,87.12 62.13,87.04 62.15,86.96 62.16,86.87 62.17,86.78 62.18,86.68 62.18,86.58
Col3 on Bottom: 65.2,33.73 65.27,33.65 65.34,33.57 65.4,33.5 65.45,33.43 65.5,33.36 65.54,33.3 65.57,33.23 65.6,33.17 65.62,33.1 65.64,33.04 65.66,32.98 65.67,32.92 65.68,32.85 65.69,32.79 65.72,32.27 65.73,32.2 65.74,32.12 65.75,32.05 65.76,31.97 65.78,31.89 65.8,31.8 65.82,31.72 65.85,31.63 67.47,31.59 67.44,33.22 67.35,33.25 67.26,33.27 67.18,33.29 67.1,33.31 67.02,33.32 66.94,33.33 66.87,33.34 66.8,33.35 66.27,33.38 66.21,33.38 66.15,33.39 66.09,33.41 66.03,33.42 65.96,33.44 65.9,33.47 65.84,33.5 65.77,33.53 65.7,33.57 65.64,33.62 65.57,33.67 65.49,33.73 65.42,33.79 65.34,33.87
Col4 on Top: 84.21,33.73 84.28,33.65 84.35,33.57 84.41,33.5 84.46,33.43 84.51,33.36 84.55,33.3 84.58,33.23 84.61,33.17 84.63,33.1 84.65,33.04 84.67,32.98 84.68,32.92 84.69,32.85 84.7,32.79 84.73,32.27 84.74,32.2 84.75,32.12 84.76,32.05 84.77,31.97 84.79,31.89 84.81,31.8 84.83,31.72 84.86,31.63 86.48,31.59 86.45,33.22 86.36,33.25 86.27,33.27 86.19,33.29 86.11,33.31 86.03,33.32 85.95,33.33 85.88,33.34 85.81,33.35 85.28,33.38 85.22,33.38 85.16,33.39 85.1,33.41 85.04,33.42 84.97,33.44 84.91,33.47 84.85,33.5 84.78,33.53 84.71,33.57 84.65,33.62 84.58,33.67 84.5,33.73 84.43,33.79 84.35,33.87
Col4 on Top: 95.65,48.56 95.65,48.66 95.66,48.76 95.66,48.85 95.68,48.94 95.69,49.02 95.71,49.1 95.74,49.17 95.76,49.23 95.79,49.29 95.82,49.35 95.85,49.41 95.89,49.46 95.92,49.51 95.96,49.56 96.31,49.95 96.36,50.01 96.4,50.07 96.45,50.13 96.49,50.19 96.54,50.26 96.59,50.34 96.63,50.42 96.67,50.5 95.55,51.67 94.42,50.5 94.47,50.42 94.51,50.34 94.55,50.26 94.6,50.19 94.65,50.13 94.69,50.07 94.74,50.01 94.79,49.95 95.13,49.56 95.17,49.51 95.21,49.46 95.24,49.41 95.28,49.35 95.31,49.29 95.33,49.23 95.36,49.17 95.38,49.1 95.4,49.02 95.42,48.94 95.43,48.85 95.44,48.76 95.45,48.66 95.45,48.56
Col4 on Top: 93.72,52.74 93.79,52.66 93.86,52.58 93.91,52.51 93.97,52.44 94.01,52.37 94.05,52.31 94.09,52.24 94.11,52.18 94.14,52.11 94.16,52.05 94.18,51.99 94.19,51.93 94.2,51.86 94.21,51.8 94.24,51.28 94.24,51.21 94.25,51.13 94.26,51.06 94.27,50.98 94.29,50.9 94.31,50.81 94.34,50.73 94.37,50.64 95.99,50.6 95.96,52.23 95.87,52.26 95.78,52.28 95.69,52.3 95.61,52.32 95.53,52.33 95.46,52.34 95.38,52.35 95.31,52.36 94.79,52.39 94.73,52.39 94.67,52.4 94.6,52.42 94.54,52.43 94.48,52.45 94.42,52.48 94.35,52.51 94.29,52.54 94.22,52.58 94.15,52.63 94.08,52.68 94.01,52.74 93.93,52.8 93.86,52.88